# Altium PCB LimePSB-RPCM_1v2.PcbDoc (part 10 of 10)
Units mm, origin at the board's own origin, x right, y up, seen from the top; angles counter-clockwise.
Board outline 170 x 110 mm, 6 copper layers (Top, L2, L3, L4, L5, Bottom), stack 1.583 mm thick; 800 components, 483 nets, 3453 pads, 1534 vias.
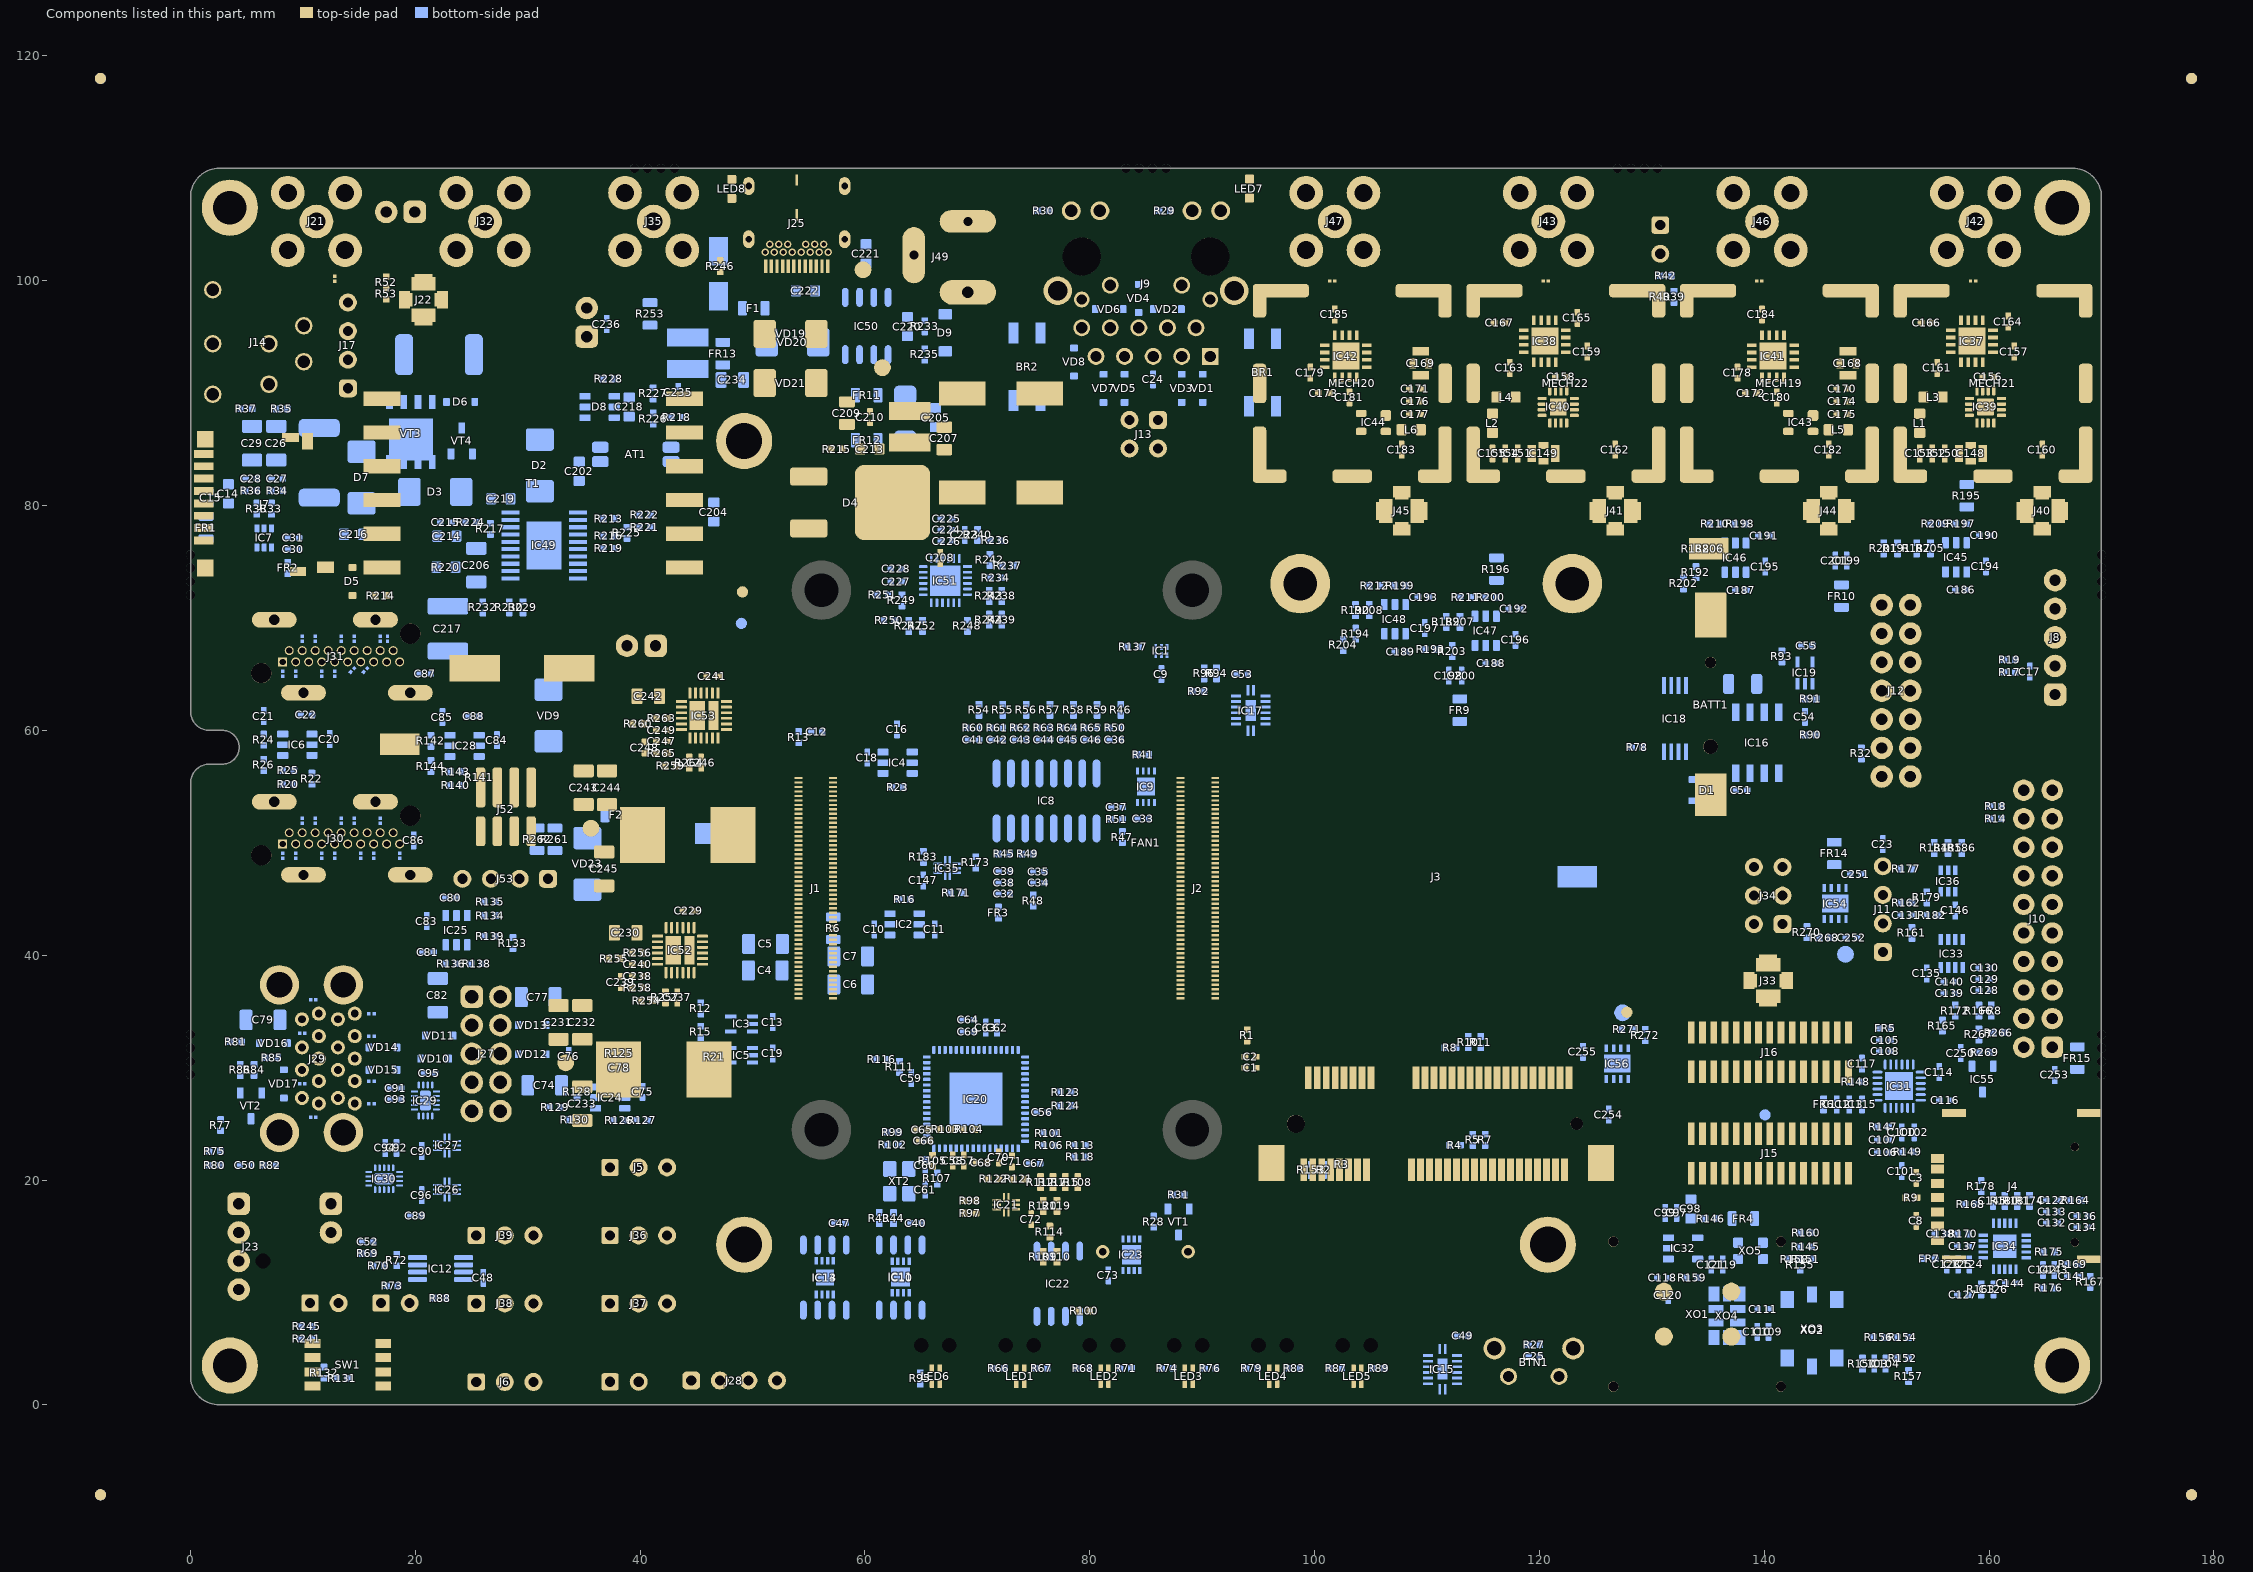
[diagram p14: the components of this part, seen from the top]

## Dimensions (continued)
2.54,0 to 56.125,24.475 on Mechanical1
2.54,0 to 49.25,14.25 on Mechanical1
49.25,14.25 to 120.75,14.25 on Mechanical1
49.25,14.25 to 49.25,85.75 on Mechanical1
0,2.54 to 49.25,14.25 on Mechanical1
3.5,3.5 to 2.54,0 on Mechanical1
3.5,3.5 to 0,2.54 on Mechanical1
3.5,3.5 to 3.5,106.5 on Mechanical1
3.5,3.5 to 166.5,3.5 on Mechanical1
-15.2,125.2 to -15.2,-15.2 on Mechanical1
0,2.54 to 170,2.54 on Mechanical1
-15.2,-15.2 to 185.215,-15.2 on Mechanical1

## Text inside footprints (layer, text, board x,y; h text height)
AT1: ASM BOT "1" at 43.075,84.75 h0.55; ASM BOT "4" at 36.8,84.725 h0.55
BATT1: ASM TOP "POSITIVE / TERMINAL" at 133.125,52.8 h0.55; ASM TOP "NEGATIVE / TERMINAL" at 133.075,69.9 h0.55
BTN1: ASM TOP "Board edge" at 116.9,1.575 h0.55
BZ1: ASM TOP "positive (longer pin)" at 82.55,8.325 h0.55 r90
D2: ASM BOT "A" at 31.225,81.2 h0.55; ASM BOT "C" at 31.35,85.225 h0.55
D3: ASM BOT "C" at 23.975,80.725 h0.55; ASM BOT "A" at 20.075,80.725 h0.55
D5: ASM TOP "C" at 14.65,71.825 h0.55 r90; ASM TOP "A" at 14.65,74.3 h0.55 r90
D6: ASM BOT "C" at 22.975,88.925 h0.55; ASM BOT "A" at 25.45,88.95 h0.55
D7: ASM BOT "A" at 15.15,84.625 h0.55; ASM BOT "C" at 15.175,80.2 h0.55
D9: ASM BOT "A" at 66.875,96.85 h0.55 r270; ASM BOT "C" at 66.875,93.475 h0.55 r270
FAN1: ASM TOP "FAN" at 51.525,10.65 h1.5
J1: ASM TOP "1" at 54.5,55.325 h0.55 r90; ASM TOP "2" at 57.2,55.425 h0.55 r90; ASM TOP "100" at 57.25,35.1 h0.55 r90; ASM TOP "99" at 54.55,35 h0.55 r90; TopOverlay "2" at 58.525,55.85 h0.55 r90; TopOverlay "1" at 53.425,55.75 h0.55 r90; TopOverlay "99" at 53.425,36.55 h0.55 r90; TopOverlay "100" at 58.525,36.65 h0.55 r90
J2: ASM TOP "1" at 88.5,55.325 h0.55 r90; ASM TOP "2" at 91.2,55.425 h0.55 r90; ASM TOP "100" at 91.25,35.1 h0.55 r90; ASM TOP "99" at 88.55,35 h0.55 r90; TopOverlay "2" at 92.525,55.85 h0.55 r90; TopOverlay "1" at 87.425,55.75 h0.55 r90; TopOverlay "99" at 87.425,36.55 h0.55 r90; TopOverlay "100" at 92.525,36.65 h0.55 r90
J3: ASM TOP "1" at 99.025,20.6 h0.55; ASM TOP "2" at 99.325,28.9 h0.55; ASM TOP "52" at 122.525,28.9 h0.55; ASM TOP "51" at 122.125,20.6 h0.55
J4: ASM TOP "CD" at 157.025,21.95 h0.55 r90; ASM TOP "C5" at 157.025,20.45 h0.55 r90; ASM TOP "C1" at 157.025,19.45 h0.55 r90; ASM TOP "C6" at 157.025,17.95 h0.55 r90; ASM TOP "C2" at 157.025,16.7 h0.55 r90; ASM TOP "C7" at 157.025,15.45 h0.55 r90; ASM TOP "C3" at 157.025,14.2 h0.55 r90
J7: ASM TOP "1" at 2.193,77 h0.55 r270; ASM TOP "8" at 2.193,84.7 h0.55 r270
J8: ASM TOP "KEY" at 167.825,67.475 h0.55 r90; ASM TOP "1" at 165.025,63.025 h0.55
J9: ASM TOP "1" at 90.1,92.925 h0.55; ASM TOP "9" at 80,92.925 h0.55; ASM TOP "11" at 90.3,98.025 h0.55; ASM TOP "14" at 78.9,98.025 h0.55
J10: ASM TOP "1" at 165.85,31.75 h0.55 r90; ASM TOP "2" at 163.35,31.75 h0.55 r90
J12: ASM TOP "1" at 153.275,55.75 h0.6 r90
J14: ASM TOP "Board edge" at 2.675,91.7 h0.55 r90; ASM TOP "5" at 8.975,92.7 h0.55 r90; ASM TOP "4" at 2.275,91 h0.55 r90; ASM TOP "3" at 8.975,95.9 h0.55 r90; ASM TOP "2" at 5.875,90.6 h0.55 r90; ASM TOP "1" at 2.275,97.9 h0.55 r90; TopOverlay "1" at 0.95,99.7 h0.55 r90; TopOverlay "2" at 7.275,88.4 h0.55 r90; TopOverlay "3" at 11.525,95.925 h0.55 r90; TopOverlay "4" at 2.375,88.4 h0.55 r90; TopOverlay "5" at 11.55,92.7 h0.55 r90
J15: ASM TOP "15" at 132,20.375 h0.55; ASM TOP "1" at 148,20.375 h0.55; ASM TOP "1" at 148,23.875 h0.55; ASM TOP "15" at 132,23.875 h0.55; TopOverlay "15" at 131.6,24.375 h0.55; TopOverlay "1" at 148.2,24.375 h0.55; TopOverlay "15" at 131.6,19.575 h0.55; TopOverlay "1" at 148.2,19.575 h0.55
J16: ASM TOP "15" at 132,29.375 h0.55; ASM TOP "15" at 132,32.875 h0.55; ASM TOP "1" at 148,29.375 h0.55; ASM TOP "1" at 148,32.875 h0.55; TopOverlay "1" at 148.2,33.375 h0.55; TopOverlay "15" at 131.6,28.575 h0.55; TopOverlay "15" at 131.6,33.375 h0.55; TopOverlay "1" at 148.2,28.575 h0.55
J20: ASM TOP "1" at 19.8,105.125 h0.55; ASM TOP "KEY" at 18,107.6 h0.55
J21: ASM TOP "Connector out" at 7.05,108.525 h0.55
J22: ASM TOP "in" at 19.325,97.825 h0.55 r90
J23: ASM TOP "1" at 5.287,17.734 h0.55 r90; ASM TOP "KEY" at 2.562,14.641 h0.55 r90
J24: ASM TOP "KEY" at 11.016,15.934 h0.55 r90; ASM TOP "1" at 13.491,17.734 h0.55 r90
J25: ASM TOP "A12" at 49.85,101.225 h0.55; ASM TOP "A1" at 57.075,101.275 h0.55; ASM TOP "PCB edge" at 51.55,110.775 h0.55
J27: ASM TOP "1" at 24.975,36 h0.55; TopOverlay "1" at 23,42.1 h0.7
J29: ASM TOP "PCB edge" at 3.4,28.575 h0.55 r90; ASM TOP "10" at 13.51,34.475 h0.55 r90; ASM TOP "11" at 13.51,31.975 h0.55 r90; ASM TOP "12" at 13.51,29.975 h0.55 r90; ASM TOP "13" at 13.51,27.475 h0.55 r90; ASM TOP "18" at 15.01,34.975 h0.55 r90; ASM TOP "17" at 15.01,32.975 h0.55 r90; ASM TOP "16" at 15.01,30.975 h0.55 r90; ASM TOP "15" at 15.01,28.975 h0.55 r90; ASM TOP "14" at 15.01,26.975 h0.55 r90; ASM TOP "5" at 11.81,26.675 h0.55 r90; ASM TOP "6" at 11.81,28.675 h0.55 r90; ASM TOP "7" at 11.81,30.675 h0.55 r90; ASM TOP "8" at 11.81,32.675 h0.55 r90; ASM TOP "9" at 11.81,34.675 h0.55 r90; ASM TOP "4" at 10.31,27.175 h0.55 r90; ASM TOP "3" at 10.31,29.675 h0.55 r90; ASM TOP "2" at 10.31,31.675 h0.55 r90; ASM TOP "1" at 10.31,34.175 h0.55 r90
J30: Mechanical13 "PCB Edge" at -3,56.698 h0.4 r180
J31: Mechanical13 "PCB Edge" at -3,72.898 h0.4 r180
J32: ASM TOP "Connector out" at 22.85,108.55 h0.55
J33: ASM TOP "in" at 142.225,37.275 h0.55 r90
J35: ASM TOP "Connector out" at 37.85,108.55 h0.55
J40: ASM TOP "in" at 164.24,80.925 h0.55
J41: ASM TOP "in" at 126.24,80.925 h0.55
J42: ASM TOP "Connector out" at 155.45,108.55 h0.55
J43: ASM TOP "Connector out" at 117.45,108.55 h0.55
J44: ASM TOP "in" at 145.24,80.925 h0.55
J45: ASM TOP "in" at 107.24,80.925 h0.55
J46: ASM TOP "Connector out" at 136.45,108.55 h0.55
J47: ASM TOP "Connector out" at 98.45,108.55 h0.55
J50: ASM TOP "KEY" at 39.425,69 h0.55; ASM TOP "1" at 41.225,66.525 h0.55
J51: ASM TOP "1" at 34.225,94.875 h0.55; ASM TOP "KEY" at 37.175,95.525 h0.55 r90
J52: ASM TOP "1" at 31.525,56.5 h0.55 r90; TopOverlay "1" at 31.6,56.575 h0.55 r90
L7: ASM TOP "No polarity" at 65.675,85.4 h0.3 r90
L8: ASM BOT "No polarity" at 45.375,91.875 h0.3 r270
L9: ASM TOP "no polarity" at 44.1,26.925 h0.55 r90
L10: ASM TOP "no polarity" at 45.85,48 h0.55 r90
LED1: ASM TOP "C" at 74.085,3.228 h0.55 r90; ASM TOP "A" at 74.085,1.428 h0.55 r90
LED2: ASM TOP "C" at 81.585,3.228 h0.55 r90; ASM TOP "A" at 81.585,1.428 h0.55 r90
LED3: ASM TOP "C" at 89.085,3.228 h0.55 r90; ASM TOP "A" at 89.085,1.428 h0.55 r90
LED4: ASM TOP "C" at 96.585,3.225 h0.55 r90; ASM TOP "A" at 96.585,1.425 h0.55 r90
LED5: ASM TOP "C" at 104.085,3.225 h0.55 r90; ASM TOP "A" at 104.085,1.425 h0.55 r90
LED6: ASM TOP "A" at 66.585,1.428 h0.55 r90; ASM TOP "C" at 66.585,3.228 h0.55 r90
LED7: ASM TOP "A" at 94.5,107 h0.55 r90; ASM TOP "C" at 94.5,108.8 h0.55 r90
LED8: ASM TOP "A" at 48.45,106.975 h0.55 r90; ASM TOP "C" at 48.45,108.775 h0.55 r90
MECH19: ASM TOP "RF shield frame" at 132.275,81.025 h0.55
MECH20: ASM TOP "RF shield frame" at 94.4,81.025 h0.55
MECH21: ASM TOP "RF shield frame" at 151.475,81.025 h0.55
MECH22: ASM TOP "RF shield frame" at 113.375,81 h0.55
MECH23: ASM TOP "RF shield cover" at 168.35,87.375 h0.55 r90
MECH24: ASM TOP "RF shield cover" at 95.9,87.4 h0.55 r90
MECH25: ASM TOP "RF shield cover" at 133.925,87.275 h0.55 r90
MECH26: ASM TOP "RF shield cover" at 130.35,87.375 h0.55 r90
SW1: ASM TOP "8" at 16.575,5.425 h0.55; ASM TOP "1" at 10.65,5.45 h0.55
VD1: ASM BOT "C" at 89.795,89 h0.55 r270; ASM BOT "A" at 89.795,91.475 h0.55 r270
VD2: ASM BOT "A" at 88.45,97.2 h0.55; ASM BOT "C" at 85.975,97.2 h0.55
VD3: ASM BOT "C" at 87.925,89 h0.55 r270; ASM BOT "A" at 87.925,91.475 h0.55 r270
VD4: ASM BOT "A" at 84.45,97.025 h0.55; ASM BOT "C" at 84.475,99.35 h0.55
VD5: ASM BOT "A" at 82.85,91.475 h0.55 r270; ASM BOT "C" at 82.85,89 h0.55 r270
VD6: ASM BOT "A" at 83.275,97.2 h0.55; ASM BOT "C" at 80.8,97.2 h0.55
VD7: ASM BOT "A" at 80.975,91.475 h0.55 r270; ASM BOT "C" at 80.975,89 h0.55 r270
VD8: ASM BOT "A" at 78.35,93.825 h0.55 r270; ASM BOT "C" at 78.35,91.35 h0.55 r270
VD9: ASM BOT "C" at 32.125,62.775 h0.55 r270; ASM BOT "A" at 32.125,58.875 h0.55 r270
VD10: ASM BOT "A" at 23.075,30.45 h0.55; ASM BOT "C" at 20.6,30.475 h0.55
VD11: ASM BOT "A" at 23.5,32.6 h0.55; ASM BOT "C" at 21.025,32.6 h0.55
VD12: ASM BOT "A" at 29.344,30.944 h0.55; ASM BOT "C" at 31.819,30.944 h0.55
VD13: ASM BOT "A" at 29.344,33.53 h0.55; ASM BOT "C" at 31.819,33.53 h0.55
VD14: ASM BOT "A" at 16.075,31.55 h0.55; ASM BOT "C" at 18.55,31.55 h0.55
VD15: ASM BOT "A" at 16.075,29.55 h0.55; ASM BOT "C" at 18.55,29.55 h0.55
VD16: ASM BOT "C" at 6.325,31.875 h0.55; ASM BOT "A" at 8.725,31.875 h0.55
VD17: ASM BOT "C" at 8.05,27.125 h0.55 r270; ASM BOT "A" at 8.05,29.6 h0.55 r270
VD18: ASM BOT "C" at 63.075,89.425 h0.55 r270; ASM BOT "A" at 63.075,85.425 h0.55 r270
VD19: ASM TOP "C" at 51.175,94.775 h0.55; ASM TOP "A" at 55.075,94.775 h0.55
VD20: ASM BOT "C" at 51.6,94.35 h0.55; ASM BOT "A" at 55.9,94.35 h0.55
VD21: ASM TOP "A" at 55.075,90.4 h0.55; ASM TOP "C" at 51.175,90.4 h0.55
VD22: ASM BOT "A" at 47.225,102.5 h0.55; ASM BOT "C" at 47.175,98.025 h0.55
VD23: ASM BOT "A" at 35.425,45.85 h0.55 r270; ASM BOT "C" at 35.425,49.75 h0.55 r270
XO1: TopOverlay "OCXO" at 132.775,12.35 h0.7